# KiCad board EBAZ4205.kicad_pcb (continued)
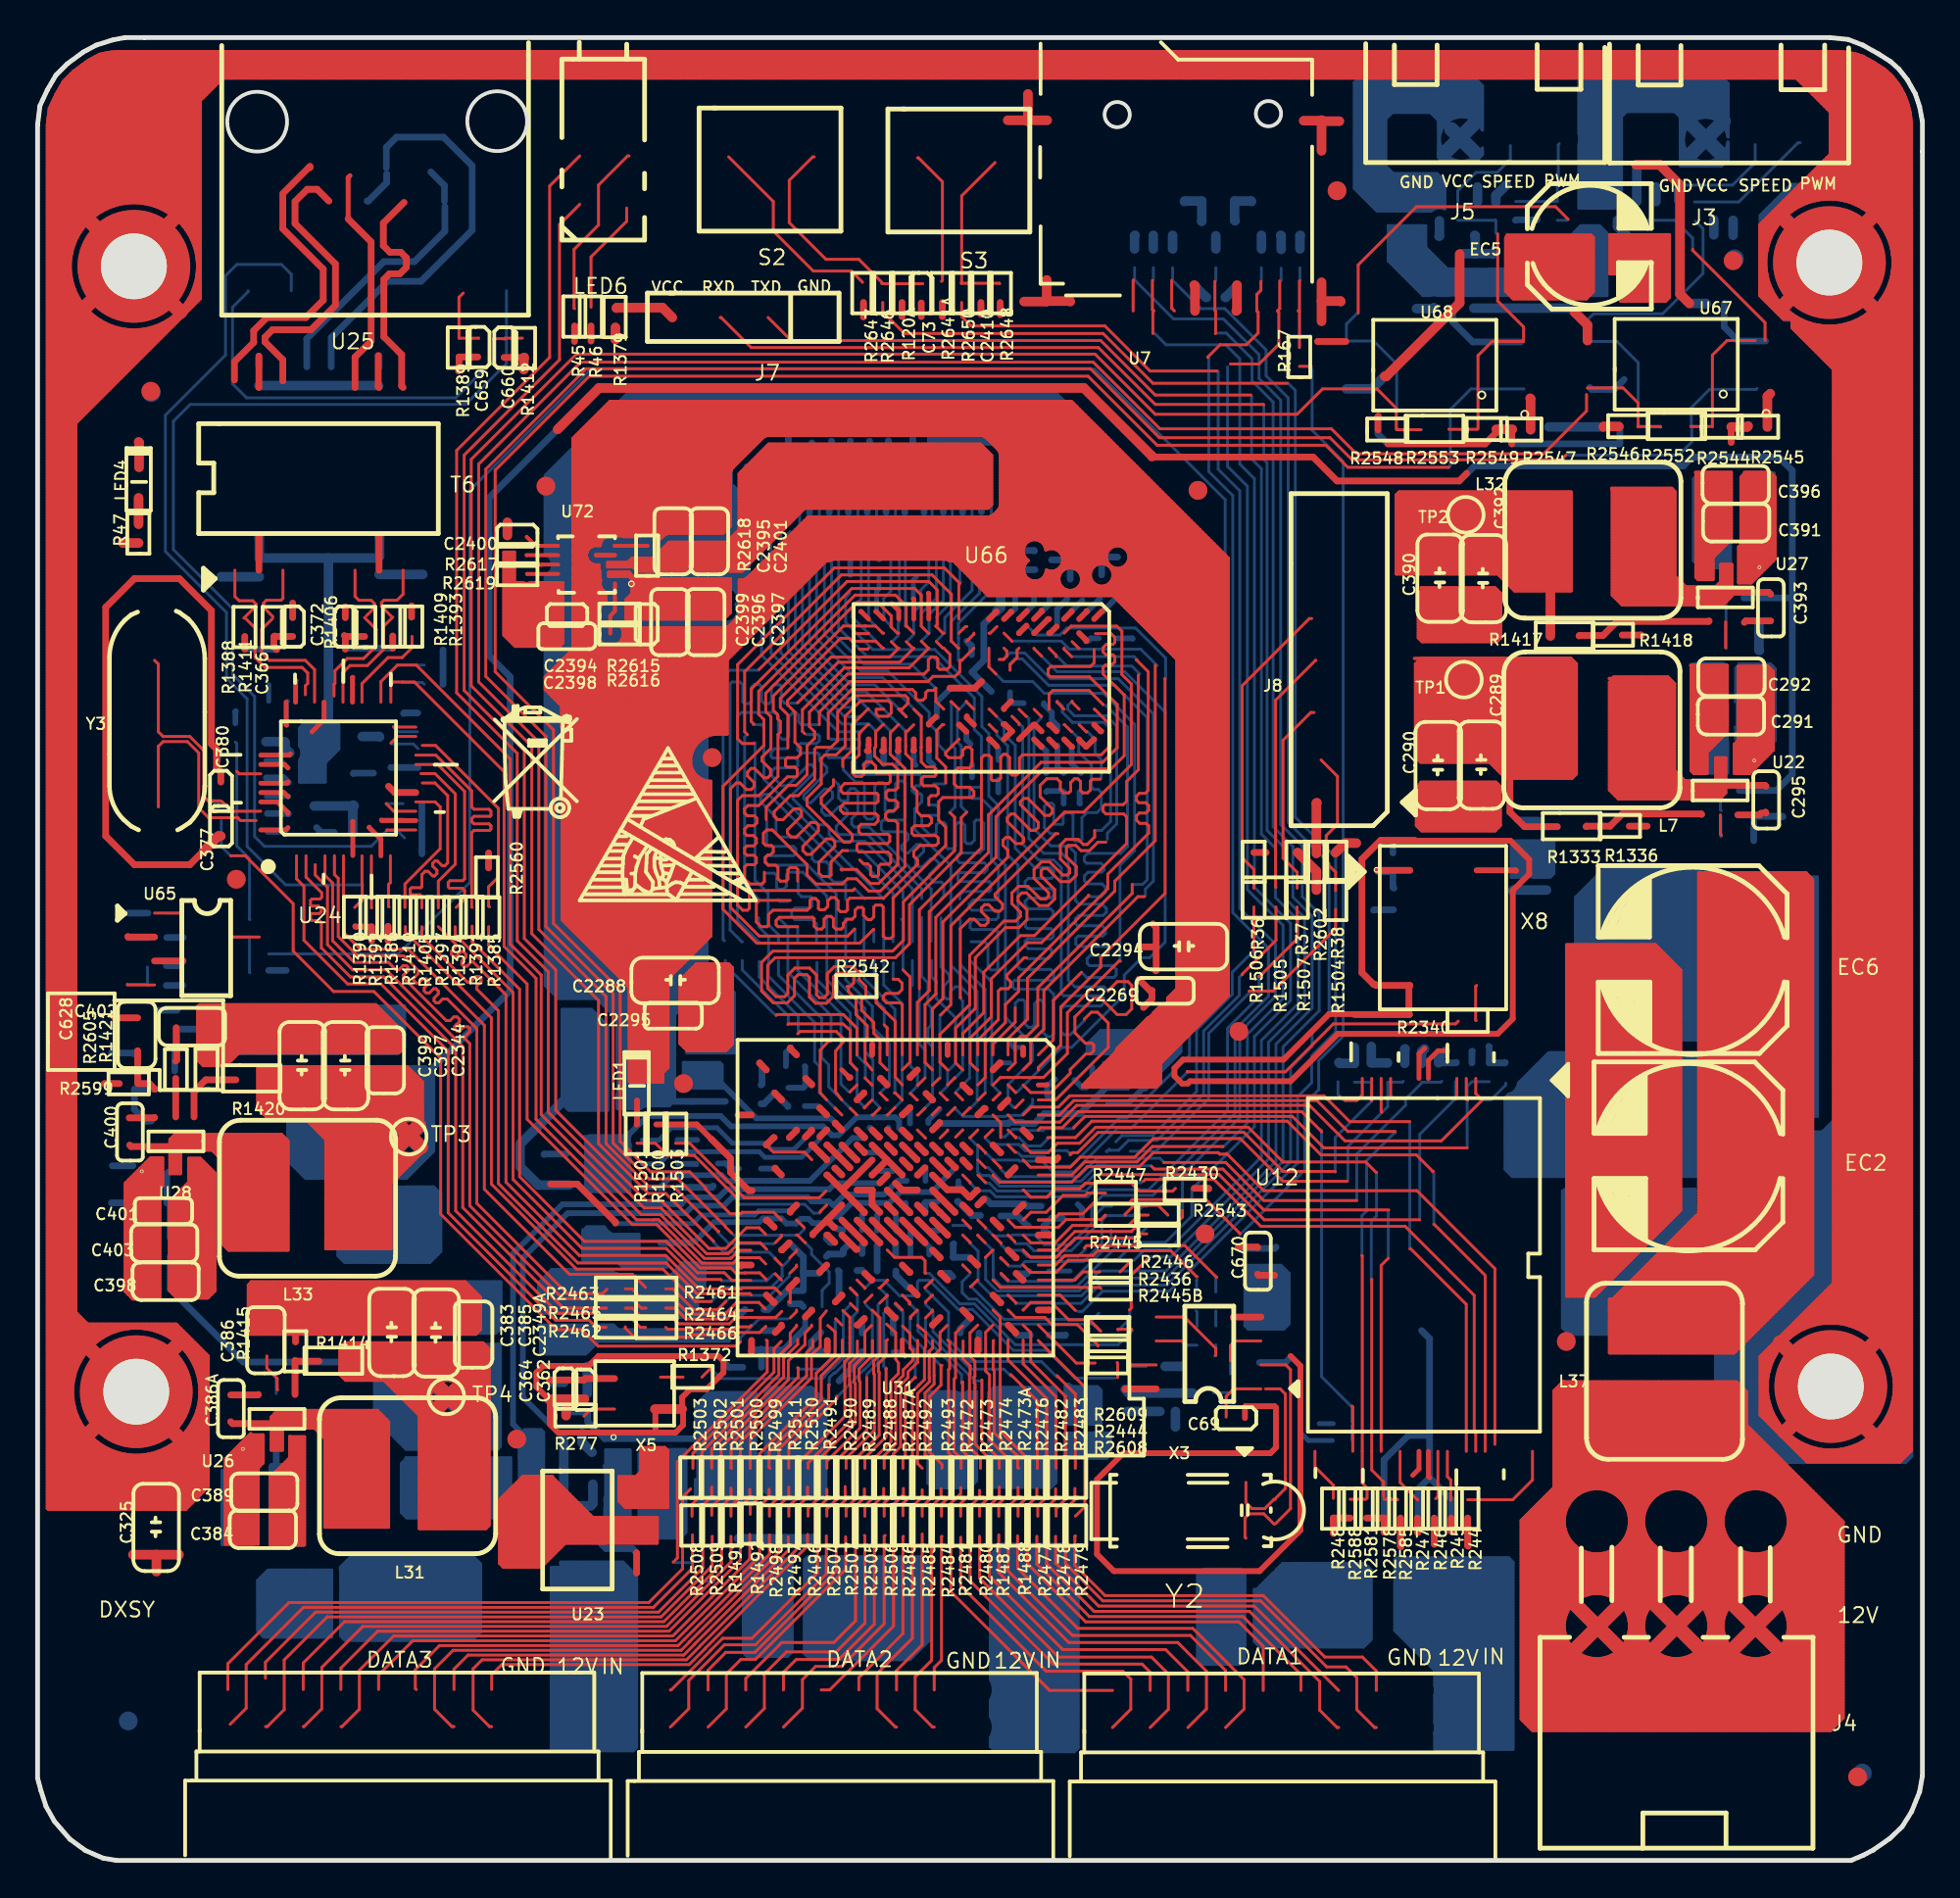
[diagram p0: board, top side]
## Routing (per net, layer and track width the routed paths; a pad name or vN(x,y) marks a point on that pad's centre or on a via; arc(x,y) is an arc through that point) (continued)
 94.45,50.57 ; 12.45,23.59 18.42,23.59 ; 15.3,19.63 18.67,19.63 ; 90.5,61.39 92.35,61.39 ; 46.45,69.27 46.45,71.5 ; 91.87,10.79 96.08,10.79 ; 36.39,68.63 36.39,70.16 ; 81.38,44.78 87.43,44.78 ; 13.08,16.79 13.08,21.07 ; 93.14,12.77 96.08,12.77 ; 79.52,57.61 79.52,63.98 ; 88.4,37.61 94.45,37.61 ; 77.39,58.35 77.39,63.98 ; 88,62 89.9,62 ; 19.48,39.33 19.48,42.24 ; 37,68.63 37,70.49 ; 37.15,68.63 37.15,70.65 ; 81.38,39.75 87.43,39.75 ; 88.25,72.05 90.13,72.05 ; 7.02,34.26 9.42,34.26 ; 79.52,6.95 79.52,18.66 ; 80.13,6.92 80.13,19.27 ; 36.7,68.21 36.7,66.26 31.32,66.26 ; 30.93,47.06 33.66,47.06 ; 28.49,67.03 30.23,67.03 ; 60.24,45.99 63.32,45.99 ; 90.65,72.82 92.45,72.82 ; 88.23,73.88 90.13,73.88 90.13,70.33 89.15,69.36 89.15,68.18 88.38,68.18 88.25,68.31 88.25,73.86 ; 85.47,27.02 85.47,31.5 ; 28.16,64.13 36.91,64.13 ; 76.78,58.46 76.78,63.98 ; 57.79,68.85 63.36,68.85 ; 83.94,27.02 83.94,29.98 ; 78.61,83.13 78.61,86.5 ; 55.63,41.27 59.62,41.27 ; 88.67,56.51 88.67,57.46 ; 90.65,73.58 92.45,73.58 ; 81.38,37.76 87.43,37.76 ; 20.32,22.98 24.02,22.98 ; 84.7,56.51 84.7,62.98 ; 10,19.93 11.72,19.93 ; 18.74,25.27 21.14,25.27 ; 26.18,64.63 26.18,67.99 ; 31.49,42.64 33.54,42.64 ; 90.5,60.78 92.35,60.78 ; 82.87,14.22 82.87,16.31 ; 88.4,37.16 94.45,37.16 ; 60.63,60.62 63.36,60.62 ; 17.8,17.74 17.8,23.94 ; 86.38,14.01 86.38,16.51 ; 48.28,69.27 48.28,71.5 ; 84.59,18.71 85.59,18.71 ; 38.22,75.37 38.22,77.65 ; 28.52,67.94 29.93,67.94 ; 83.94,31.13 83.94,48.74 ; 60.63,60.78 63.36,60.78 ; 80.64,19.78 82.77,19.78 ; 30.14,66.91 30.14,67.54 ; 12.4,17.34 14.2,17.34 ; 39.29,70.46 39.29,75.38 ; 32.58,18.79 32.58,21.97 ; 37.81,68.29 41.01,71.5 50.56,71.5 ; 10,17.8 11.72,17.8 ; 31.07,19.02 33.52,19.02 ; 50.26,71.98 50.26,75.28 ; 42.49,71.98 42.49,75.38 ; 35.33,48.72 35.33,57.55 ; 38.22,69.39 38.22,74.69 ; 85.77,13.47 85.77,17.05 ; 27.92,52.4 35.82,52.4 ; 72.31,69.31 81.6,69.31 ; 60.63,58.64 63.36,58.64 ; 4.67,31.52 6.5,31.52 ; 27.25,16.08 27.25,20.44 ; 15.35,36.55 19.3,36.55 ; 27.92,54.68 35.82,54.68 ; 11.72,40.66 20.47,40.66 ; 22.98,17.67 22.98,27.54 ; 90.34,19.42 90.34,25.47 ; 90.65,71.75 92.45,71.75 ; 9.42,37.69 9.42,38.64 ; 86.99,56.51 86.99,62.75 ; 15.24,22.52 18.67,22.52 ; 72.51,68.48 72.51,72.83 ; 15.35,35.94 18.79,35.94 ; 88.44,11.25 90.19,11.25 ; 90.04,13.53 90.04,16.99 ; 36.55,59.96 36.55,65.6 ; 88.4,37.46 94.45,37.46 ; 75.41,64.88 75.41,67.73 ; 77.24,58.46 77.24,63.98 ; 26.79,64.63 26.79,68.01 ; 45.08,71.98 45.08,75.38 ; 88,59.86 89.71,59.86 ; 60.63,51.48 63.36,51.48 ; 30.94,19.78 33.52,19.78 ; 92.32,13.97 92.32,16.56 ; 88.4,42.95 94.45,42.95 ; 85.33,31.36 94.45,31.36 ; 53.53,70.07 62.59,70.07 ; 91.87,6.92 91.87,10.79 ; 11.22,30.3 23.24,30.3 ; 81.38,33.65 86.46,33.65 ; 17.04,17.74 17.04,23.94 ; 90.65,6.92 90.65,10.91 ; 18.41,42.99 18.41,45.12 ; 7.02,31.97 9.42,31.97 ; 17.95,17.74 17.95,23.94 ; 58.49,66.08 58.49,74.17 ; 84.26,30.3 93.56,30.3 ; 81.38,32.43 85.24,32.43 ; 22.23,23.9 24.02,23.9 ; 51.24,74.49 58.17,74.49 ; 60.63,63.52 63.36,63.52 ; 78.76,67.58 78.76,72.83 ; 57.27,67.3 57.27,68.8 ; 88.21,13.9 88.21,16.63 ; 36.09,68.63 36.09,70.16 ; 84.7,83 84.7,86.53 ; 27.71,61.65 27.71,63.67 ; 18.26,42.99 18.26,45.28 ; 6.22,29.89 6.22,37.39 ; 55.9,41.17 55.9,41.54 ; 34.19,46.45 36.97,46.45 ; 52.85,70.28 52.85,77.65 ; 33.8,47.2 33.8,65.6 ; 88.4,51.94 94.45,51.94 ; 7.89,37.81 7.89,38.64 ; 37.34,70.99 39.82,70.99 ; 27.92,51.48 35.82,51.48 ; 28.52,69.01 29.5,69.01 ; 29.69,48.3 29.69,68.96 ; 9.9,36.55 13.32,36.55 ; 4.67,30.91 6.5,30.91 ; 60.63,54.22 63.36,54.22 ; 8.05,37 9.01,37 ; 8.5,29.94 8.5,37.36 ; 50.82,75.41 57.26,75.41 ; 41.12,71.98 41.12,75.38 ; 59.68,64.89 63.36,64.89 ; 16.39,25.57 24.02,25.57 ; 19.02,24.99 19.02,27.54 ; 27.4,61.95 27.4,63.37 ; 22.63,24.35 24.02,24.35 ; 28.47,16.89 28.47,19.32 ; 33.04,66.08 33.04,68.21 ; 91.87,68.7 91.87,73.88 ; 55.6,67.33 55.6,77.07 ; 31.67,66.08 31.67,68.35 ; 15.35,34.56 18.79,34.56 ; 10.54,21.92 12,21.92 ; 73.48,66.87 77.85,66.87 ; 93.17,17.95 96.08,17.95 ; 46.15,75.86 46.15,77.65 ; 90.53,68.55 91.72,68.55 ; 10,20.54 11.72,20.54 ; 27.92,52.09 35.82,52.09 ; 12.4,16.89 14.2,16.89 ; 31.82,70.47 31.82,77.65 ; 4.67,34.26 6.5,34.26 ; 27.92,53.31 35.82,53.31 ; 31.52,18.79 31.52,20.42 ; 55.14,68.78 55.14,77.53 ; 78.13,85.01 82.78,85.01 ; 92.48,13.87 92.48,16.66 ; 41.42,68.64 41.42,71.5 ; 78.95,12.77 81.26,12.77 ; 20.39,37.64 20.39,37.83 ; 42.64,71.98 42.64,75.38 ; 46.6,69.27 46.6,71.5 ; 7.05,37.61 7.6,37.61 ; 13.99,39.49 13.99,42.24 ; 53.77,69.81 53.77,77.65 ; 34.19,43.71 36.97,43.71 ; 81.2,25.49 80.7,24.99 80.7,19.84 78.95,18.09 78.95,7.52 79.55,6.92 95.4,6.92 96.08,7.6 96.08,18.02 90.93,23.17 90.93,24.94 90.4,25.47 81.2,25.47 ; 85.01,6.92 85.01,25.47 ; 33.08,69.62 38.45,69.62 ; 81.38,43.4 87.43,43.4 ; 37.35,66.87 39.66,66.87 ; 40.5,70.99 61.68,70.99 ; 28.49,68.24 29.92,68.24 ; 91.71,19.77 91.71,22.38 ; 52.09,67.33 52.09,77.65 ; 20.27,23.74 24.02,23.74 ; 88,61.08 89.9,61.08 ; 37.35,66.72 39.5,66.72 ; 51.24,73.58 59.09,73.58 ; 90.19,27.02 90.19,52.56 ; 13.38,23.02 13.38,23.94 ; 14.9,38.83 14.9,42.24 ; 17.34,32.57 17.34,42.24 ; 78.95,12.92 81.29,12.92 ; 28.49,71.29 36.86,71.29 ; 90.65,71.29 92.45,71.29 ; 54.68,68.75 54.68,77.65 ; 92.48,6.92 92.48,11.08 ; 58.34,41.17 58.34,44.09 ; 78.95,8.5 96.08,8.5 ; 28.49,70.23 29.99,70.23 ; 72.31,71.75 81.6,71.75 ; 88.4,44.32 94.45,44.32 ; 12.45,22.83 13.02,22.83 ; 93.14,12.16 96.08,12.16 ; 88.51,66.83 88.51,67.78 ; 37.34,73.73 50.76,73.73 ; 84.86,83 84.86,86.53 ; 86.68,83.06 86.68,86.53 ; 88.4,43.25 94.45,43.25 ; 81.38,30.75 83.57,30.75 ; 33.65,68.63 33.65,70.16 ; 73.33,62.3 81.88,62.3 ; 22.22,17.67 22.22,23.89 ; 88.25,71.9 90.13,71.9 ; 38.98,66.2 38.98,69.47 ; 76.02,68.48 76.02,72.83 ; 88.94,18.11 89.68,18.11 ; 75.1,54.81 75.1,57.38 ; 78.95,11.86 81.34,11.86 ; 84.66,12.92 85.51,12.92 ; 85.16,66.83 85.16,73.03 ; 81.38,34.56 87.38,34.56 ; 51.24,73.88 58.78,73.88 ; 56.2,67.33 56.2,67.98 ; 92.97,18.87 95.23,18.87 ; 88.25,72.51 90.13,72.51 ; 12.77,39.49 12.77,42.24 ; 88.4,51.02 94.45,51.02 ; 55.75,41.17 55.75,41.38 ; 83.42,10.79 86.75,10.79 ; 95.22,6.92 95.22,18.88 ; 13.69,28.02 13.69,30.79 ; 31.49,43.4 33.54,43.4 ; 15.51,17.74 15.51,23.94 ; 88.68,11.55 89.95,11.55 ; 27.92,53.16 35.82,53.16 ; 81.38,30.14 82.96,30.14 ; 7.02,31.82 9.42,31.82 ; 9.11,30.01 9.11,36.9 ; 87.9,66.83 87.9,67.78 ; 40.35,70.84 61.83,70.84 ; 76.63,64.88 76.63,67.73 ; 35.63,49.03 35.63,57.45 ; 88.97,27.02 88.97,52.56 ; 81.38,47.67 87.14,47.67 ; 81.38,38.22 87.43,38.22 ; 60.63,60.17 63.36,60.17 ; 29.29,76.47 56.19,76.47 ; 15.3,21 18.67,21 ; 17.5,25.57 17.5,27.54 ; 18.41,17.74 18.41,23.6 ; 37.47,68.15 37.35,68.15 37.35,66.43 ; 28.49,66.42 29.79,66.42 ; 32.28,41.44 32.28,65.6 ; 43.1,71.98 43.1,75.38 ; 32.43,41.44 32.43,65.6 ; 83.65,59.86 87.1,59.86 ; 18.56,17.74 18.56,23.45 ; 45.99,75.86 45.99,77.65 ; 22.52,17.67 22.52,24.16 ; 88.82,6.92 88.82,11.83 ; 81.38,31.21 84.02,31.21 ; 54.26,68.7 54.6,68.7 ; 79.12,18.26 81.24,18.26 ; 83.65,29.23 92.49,29.23 ; 81.35,18.68 81.35,25.47 ; 88.4,49.8 94.45,49.8 ; 81.35,13.11 81.35,17.42 ; 90.34,57.86 90.34,59.45 ; 56.81,41.17 56.81,42.45 ; 84.25,83.18 86.8,83.18 ; 57.01,42.64 59.96,42.64 ; 73.57,57.27 77.72,57.27 ; 29.99,70.22 29.99,77.18 ; 72.31,69.16 81.6,69.16 ; 74.95,64.88 74.95,67.73 ; 88.34,16.73 90.28,16.73 ; 57.42,41.17 57.42,43.14 ; 22.83,17.67 22.83,27.54 ; 92.8,11.4 96.08,11.4 ; 88.4,48.59 94.45,48.59 ; 27.92,54.83 35.82,54.83 ; 74.49,68.48 74.49,72.83 ; 58.61,65.96 63.36,65.96 ; 92.17,14.05 92.17,16.47 ; 20.32,18.71 24.02,18.71 ; 15.3,19.32 18.67,19.32 ; 15.3,19.02 18.67,19.02 ; 78.95,17.65 81.28,17.65 ; 25.72,64.63 25.72,68.01 ; 32.13,16.89 32.13,18.24 ; 7.05,37.46 7.6,37.46 ; 85.62,18.78 85.62,25.47 ; 82.72,6.92 82.72,10.75 ; 20.7,17.67 20.7,27.54 ; 85.47,56.51 85.47,62.98 ; 24.59,17.34 32.97,17.34 ; 93.09,29.83 93.09,52.56 ; 16.28,32.57 16.28,42.24 ; 10.48,32.49 10.48,38.64 ; 84.4,6.92 84.4,11.47 ; 78.95,8.66 96.08,8.66 ; 14.45,28.02 14.45,30.79 ; 80.7,20.85 93.25,20.85 ; 49.19,68.72 49.19,71.5 ; 77.94,68.24 81.6,68.24 ; 7.02,32.89 9.42,32.89 ; 92.63,19.31 92.63,21.47 ; 37.34,71.29 40.13,71.29 ; 84.55,13.22 84.55,17.3 ; 86.99,66.83 86.99,72.99 ; 7.02,31.36 9.42,31.36 ; 8.05,36.39 9.42,36.39 ; 11.22,28.62 23.57,28.62 ; 85.63,31.67 94.45,31.67 ; 10,21.15 11.98,21.15 ; 25.12,64.94 25.12,69.63 ; 58.03,69.62 63.05,69.62 ; 74.19,68.48 74.19,72.83 ; 32.74,18.79 32.74,21.97 ; 35.63,59.85 35.63,65.6 ; 7.06,38.37 13.24,38.37 ; 78.95,10.48 96.08,10.48 ; 32.77,69.31 38.14,69.31 ; 83.8,70.68 87.13,70.68 ; 59.1,41.17 59.1,44.84 ; 72.31,72.51 81.6,72.51 ; 10,18.41 11.72,18.41 ; 21.31,17.67 21.31,23.93 ; 33.8,68.63 33.8,70.16 ; 15.35,37.76 19.3,37.76 ; 50.26,75.85 50.26,77.65 ; 80.74,57.61 80.74,63.98 ; 15.3,21.76 18.67,21.76 ; 38.68,65.9 38.68,69.16 ; 78.95,9.27 96.08,9.27 ; 85.47,32.65 85.47,48.74 ; 93.13,18.41 95.68,18.41 ; 32.12,20.7 33.52,20.7 ; 80.7,21.46 92.64,21.46 ; 88.4,46.45 94.45,46.45 ; 28.49,68.7 29.88,68.7 ; 8.35,37.81 8.35,38.64 ; 50.66,75.56 57.11,75.56 ; 92.93,6.92 92.93,11.6 ; 88.88,12.01 89.74,12.01 ; 72.31,68.7 81.6,68.7 ; 81.38,42.03 87.43,42.03 ; 7.28,35.33 9.42,35.33 ; 83.8,72.36 87.13,72.36 ; 42.79,75.86 42.79,77.65 ; 19.32,43.09 19.32,44.21 ; 84.72,17.95 85.46,17.95 ; 19.93,39.38 19.93,41.97 ; 75.1,68.48 75.1,72.83 ; 14.14,23.02 14.14,23.94 ; 28.49,73.27 36.86,73.27 ; 95.68,7.2 95.68,18.42 ; 34.19,44.32 36.97,44.32 ; 32.89,18.79 32.89,21.97 ; 85.78,31.82 94.45,31.82 ; 7.05,37.31 7.6,37.31 ; 49.04,71.98 49.04,75.38 ; 60.63,59.86 63.36,59.86 ; 44.93,75.86 44.93,77.65 ; 28.49,75.56 38.41,75.56 ; 88.4,37.76 94.45,37.76 ; 50.13,67.79 54.5,67.79 ; 36.85,71.02 36.85,77.65 ; 24.59,16.43 27.6,16.43 ; 77.54,54.81 77.54,57.38 ; 81.38,39.59 87.43,39.59 ; 28.95,49.04 35.65,49.04 ; 78.95,11.55 81.5,11.55 ; 50.41,71.98 50.41,75.13 ; 60.63,54.07 63.36,54.07 ; 8.2,29.94 8.2,37.36 ; 88.21,19.47 88.21,25.47 ; 16.1,26.49 24.02,26.49 ; 54.38,68.41 54.38,68.79 ; 55.61,41.17 59.52,41.17 59.76,41.41 59.76,42.44 63.36,46.04 63.36,69.31 55.01,77.65 30.47,77.65 28.49,75.68 28.49,70.14 ; 21,25.07 21,27.54 ; 90.3,58.34 91.58,58.34 ; 11.72,40.51 20.47,40.51 ; 10.48,16.84 10.48,21.86 ; 73.33,63.37 81.88,63.37 ; 78.95,14.9 96.08,14.9 ; 8.05,36.24 9.42,36.24 ; 7.05,37.92 13.32,37.92 ; 81.38,44.47 87.43,44.47 ; 35.02,48.42 35.02,57.79 ; 79.98,57.61 79.98,63.98 ; 16.89,32.57 16.89,42.24 ; 44.32,75.86 44.32,77.65 ; 82.57,14.17 82.57,16.35 ; 14.6,42.24 14.6,39.14 19.18,39.14 ; 27.92,56.66 35.82,56.66 ; 86.08,6.92 86.08,11.14 ; 79.83,6.92 79.83,18.97 ; 84.87,30.91 94.17,30.91 ; 89.43,6.92 89.43,25.47 ; 87.29,27.02 87.29,33.33 ; 5,29.97 5,36.36 ; 56.81,69 56.81,75.85 ; 46.91,69.27 46.91,71.5 ; 72.31,68.85 81.6,68.85 ; 25.57,64.63 25.57,68.01 ; 83.65,57.27 89.83,57.27 ; 83.65,61.23 87.1,61.23 ; 89.12,56.51 89.12,57.46 ; 80.7,22.07 92.03,22.07 ; 88.4,44.01 94.45,44.01 ; 90.04,19.11 90.04,25.47 ; 48.28,71.98 48.28,75.38 ; 73.33,59.71 81.88,59.71 ; 27.55,16.38 27.55,20.23 ; 91.56,14.21 91.56,16.31 ; 27.92,50.41 35.82,50.41 ; 34.87,70.64 34.87,77.65 ; 45.54,69.27 45.54,71.5 ; 88.4,38.37 94.45,38.37 ; 80.89,83.13 80.89,86.5 ; 4.67,35.78 6.52,35.78 ; 86.39,32.43 94.45,32.43 ; 19.51,24.51 20.93,24.51 ; 56.2,68.87 56.2,76.46 ; 81.38,37.16 87.43,37.16 ; 95.83,7.35 95.83,18.27 ; 21.61,17.67 21.61,23.81 ; 75.56,64.88 75.56,67.73 ; 83.8,67.79 87.7,67.79 ; 83.65,60.32 87.1,60.32 ; 31.16,65.2 37.98,65.2 ; 89.3,58.34 89.83,58.34 ; 86.68,14.14 86.68,16.38 ; 37.92,69.08 37.92,74.38 ; 28.49,72.66 36.86,72.66 ; 46.76,75.86 46.76,77.65 ; 27.92,57.12 35.82,57.12 ; 10.03,16.84 10.03,21.4 ; 30.91,47.08 30.91,64.76 ; 15.21,42.99 15.21,45.54 ; 9.11,37.81 9.11,38.64 ; 58.03,41.17 58.03,43.79 ; 20.32,22.22 24.02,22.22 ; 84.54,11.7 85.64,11.7 ; 92.32,19.54 92.32,21.77 ; 81.96,19.47 81.96,25.47 ; 60.63,52.7 63.36,52.7 ; 56.05,67.33 56.05,68.22 ; 77.08,68.48 77.08,72.83 ; 73.33,62.15 81.88,62.15 ; 88.4,36.09 94.45,36.09 ; 16.1,25.88 24.02,25.88 ; 93.7,30.44 93.7,52.56 ; 22.69,24.66 24.02,24.66 ; 32.43,66.08 32.43,68.21 ; 29.84,16.89 29.84,18.24 ; 16.1,26.18 24.02,26.18 ; 50.11,75.86 50.11,77.65 ; 88.94,12.31 89.69,12.31 ; 92.17,19.63 92.17,21.92 ; 84.42,19.02 85.75,19.02 ; 80.34,19.48 81.97,19.48 ; 88.51,57.86 88.51,63.61 ; 7.59,36.56 7.59,38.64 ; 89.43,56.51 89.43,58.68 ; 13.08,42.99 13.08,45.54 ; 88.25,69.16 89.15,69.16 ; 19.96,24.05 21.17,24.05 ; 73.48,66.72 77.85,66.72 ; 8.96,29.94 8.96,37.05 ; 20.32,23.44 24.02,23.44 ; 9.88,42.31 9.88,45.54 ; 37.34,73.43 50.76,73.43 ; 13.42,22.37 14.2,22.37 ; 18.56,28.02 18.56,30.79 ; 15.35,36.09 18.84,36.09 ; 41.73,68.94 41.73,71.5 ; 95.37,6.92 95.37,18.72 ; 30.91,68.86 30.91,69.08 ; 39.89,70.38 62.29,70.38 ; 42.79,69.27 42.79,71.5 ; 73.58,64.99 73.58,67.53 ; 19.02,38.93 19.02,42.24 ; 40.66,75.86 40.66,77.65 ; 9.9,36.7 13.32,36.7 ; 51.24,74.19 58.48,74.19 ; 81.38,35.94 87.43,35.94 ; 88.85,17.5 89.77,17.5 ; 88.4,48.74 94.45,48.74 ; 78.13,84.86 82.78,84.86 ; 31.85,68.7 37.54,68.7 ; 86.84,34.03 86.84,47.98 ; 48.13,69.27 48.13,71.5 ; 88.4,44.17 94.45,44.17 ; 89.73,66.89 89.73,68.98 ; 55.45,68.55 56.03,68.55 ; 50.72,72.14 50.72,74.82 ; 31.21,46.78 31.21,65.61 ; 74.8,64.88 74.8,67.73 ; 31.49,43.1 33.54,43.1 ; 60.63,49.65 63.36,49.65 ; 88.4,35.94 94.45,35.94 ; 47.06,75.86 47.06,77.65 ; 58.95,65.62 58.95,73.72 ; 14.6,28.02 14.6,30.79 ; 89.73,6.92 89.73,12.05 ; 33.34,18.79 33.34,21.97 ; 9.27,30.16 9.27,36.75 ; 80.7,23.13 90.96,23.13 ; 92.68,13.69 96.08,13.69 ; 73.88,58.46 73.88,63.98 ; 16.1,27.1 24.02,27.1 ; 88.21,56.51 88.21,57.46 ; 77.24,54.81 77.24,57.38 ; 88.84,13.08 89.79,13.08 ; 81.38,33.95 86.77,33.95 ; 57.85,66.72 63.36,66.72 ; 15.97,17.74 15.97,23.94 ; 12.45,23.29 18.67,23.29 ; 78.95,13.53 81.59,13.53 ; 92.78,29.52 92.78,52.56 ; 73.33,63.06 81.88,63.06 ; 86.38,27.02 86.38,32.42 ; 27.02,62.76 36.69,62.76 ; 81.5,67.58 81.5,72.83 ; 34.19,44.17 36.97,44.17 ; 58.8,65.77 58.8,73.87 ; 79.67,67.58 79.67,72.83 ; 20.85,28.02 20.85,30.79 ; 74.04,64.88 74.04,67.73 ; 54.07,69.82 54.07,77.65 ; 79.06,57.61 79.06,63.98 ; 20.32,23.13 24.02,23.13 ; 49.8,68.11 49.8,71.5 ; 31.49,45.38 33.54,45.38 ; 88.07,34.11 94.45,34.11 ; 88.4,40.81 94.45,40.81 ; 39.44,70.61 39.44,75.38 ; 9.9,34.72 13.32,34.72 ; 35.48,43.11 35.48,47.71 ; 27.92,51.79 35.82,51.79 ; 9.11,42.31 9.11,45.54 ; 27.92,56.2 35.82,56.2 ; 34.41,47.06 36.97,47.06 ; 58.11,43.86 61.18,43.86 ; 88.92,12.16 89.71,12.16 ; 31.36,46.62 31.36,65.6 ; 79.83,83.13 79.83,86.5 ; 34.43,43.25 36.75,43.25 ; 27.92,50.11 35.82,50.11 ; 90.53,68.4 91.57,68.4 ; 84.04,11.09 86.13,11.09 ; 51.33,67.33 51.33,77.65 ; 21,28.02 21,30.79 ; 90.3,58.64 91.89,58.64 ; 54.52,69.01 56.44,69.01 ; 34.19,44.01 36.97,44.01 ; 4.67,31.97 6.5,31.97 ; 29.73,68.95 29.86,68.95 29.86,68.86 ; 81.38,41.88 87.43,41.88 ; 81.38,40.05 87.43,40.05 ; 84.25,31.43 84.25,48.74 ; 90.53,69.31 92.45,69.31 ; 84.25,56.51 84.25,62.98 ; 13.42,22.52 14.2,22.52 ; 87.14,27.02 87.14,33.18 ; 27.89,61.08 36.69,61.08 ; 12.45,22.98 13.02,22.98 ; 22.22,25.46 22.22,27.54 ; 27.89,61.39 36.69,61.39 ; 84.35,11.4 85.83,11.4 ; 72.31,68.55 81.6,68.55 ; 37.46,68.63 37.46,73.92 ; 60.63,59.25 63.36,59.25 ; 20.32,22.83 24.02,22.83 ; 83.62,16.43 86.56,16.43 ; 34.87,47.52 36.96,47.52 ; 38.79,75.26 50.29,75.26 ; 19.02,28.02 19.02,30.79 ; 15.3,19.93 18.67,19.93 ; 88.74,18.87 89.88,18.87 ; 60.63,58.19 63.36,58.19 ; 37.72,74.19 50.76,74.19 ; 88.4,39.29 94.45,39.29 ; 76.47,54.81 76.47,57.38 ; 89.89,18.87 89.89,25.47 ; 81.38,40.2 87.43,40.2 ; 31.21,18.87 31.21,20.42 ; 88.4,51.48 94.45,51.48 ; 13,21 14.2,21 ; 33.8,70.64 33.8,77.65 ; 33.65,70.64 33.65,77.65 ; 88.4,47.37 94.45,47.37 ; 60.63,61.54 63.36,61.54 ; 88.62,17.04 90,17.04 ; 85.93,31.97 94.45,31.97 ; 45.99,69.27 45.99,71.5 ; 37.34,71.6 40.43,71.6 ; 12.92,21.84 12.92,23.94 ; 73.33,59.25 81.88,59.25 ; 88.67,66.83 88.67,67.78 ; 55.75,67.33 55.75,76.92 ; 62,44.68 62,70.67 ; 45.08,75.86 45.08,77.65 ; 80.44,67.58 80.44,72.83 ; 20.24,39.28 20.24,41.67 ; 88.25,68.55 89.15,68.55 ; 60.63,52.85 63.36,52.85 ; 93.08,17.5 96.08,17.5 ; 14.14,39.49 14.14,42.24 ; 78.55,67.64 81.6,67.64 ; 74.19,58.46 74.19,63.98 ; 40.05,75.86 40.05,77.65 ; 44.01,71.98 44.01,75.38 ; 20.32,19.63 24.02,19.63 ; 34.11,70.64 34.11,77.65 ; 87.9,14.07 87.9,16.45 ; 13.53,42.99 13.53,45.54 ; 81.38,31.52 84.33,31.52 ; 77.79,68.4 81.6,68.4 ; 19.32,24.69 19.32,27.54 ; 47.82,69.27 47.82,71.5 ; 32.89,68.63 32.89,69.43 ; 12.47,32.49 12.47,38.64 ; 92.72,16.89 96.08,16.89 ; 53.16,70.3 53.16,77.65 ; 90.3,57.88 91.12,57.88 ; 15.35,35.17 18.79,35.17 ; 19.32,36.57 19.32,37.75 ; 85.31,27.02 85.31,31.35 ; 87.6,66.83 87.6,67.88 ; 87.29,34.48 87.29,47.52 ; 88.4,45.23 94.45,45.23 ; 73.48,65.65 77.85,65.65 ; 83.65,58.34 87.1,58.34 ; 73.33,60.32 81.88,60.32 ; 11,22.37 12,22.37 ; 93.09,13.01 93.09,17.52 ; 81.38,39.9 87.43,39.9 ; 10.85,22.22 12,22.22 ; 8.52,45.38 18.15,45.38 ; 92.9,11.55 96.08,11.55 ; 89.73,27.02 89.73,52.56 ; 60.63,53.31 63.36,53.31 ; 58.64,65.92 58.64,74.02 ; 27.4,64.63 27.4,68.01 ; 38.07,69.24 38.07,74.53 ; 81.38,35.78 87.43,35.78 ; 60.63,47.21 63.36,47.21 ; 85.47,66.83 85.47,73.03 ; 74.34,58.46 74.34,63.98 ; 45.23,71.98 45.23,75.38 ; 12.4,19.78 14.2,19.78 ; 79.67,6.92 79.67,18.81 ; 15.35,36.39 19.15,36.39 ; 93.54,30.28 93.54,52.56 ; 35.63,70.64 35.63,77.65 ; 11.86,21.03 11.86,22.64 ; 84.7,18.28 84.7,25.47 ; 13.99,42.99 13.99,45.54 ; 73.38,55.9 77.83,55.9 ; 12.62,39.49 12.62,42.24 ; 39.44,66.66 39.44,69.92 ; 47.98,69.27 47.98,71.5 ; 15.3,17.95 18.67,17.95 ; 24.59,18.11 32.97,18.11 ; 5.61,29.89 5.61,36.97 ; 60.63,49.96 63.36,49.96 ; 9.9,35.48 13.32,35.48 ; 36.7,70.87 36.7,77.65 ; 4.67,33.8 6.5,33.8 ; 34.57,47.21 36.97,47.21 ; 83.64,19.66 83.64,25.47 ; 60.63,49.35 63.36,49.35 ; 60.63,57.88 63.36,57.88 ; 28.47,64.43 37.22,64.43 ; 88.4,43.86 94.45,43.86 ; 88.4,41.27 94.45,41.27 ; 90.65,73.12 92.45,73.12 ; 90.65,70.99 92.45,70.99 ; 78.95,15.06 96.08,15.06 ; 30.45,68.36 30.45,68.56 ; 38.53,65.74 38.53,69.01 ; 81.05,6.92 81.05,25.33 ; 37.34,72.21 50.76,72.21 ; 83.65,59.71 87.1,59.71 ; 28.49,71.45 36.86,71.45 ; 92.76,19.17 94.92,19.17 ; 43.71,71.98 43.71,75.38 ; 88.4,46.76 94.45,46.76 ; 10.94,32.49 10.94,38.64 ; 34.19,46.6 36.97,46.6 ; 90.53,69.16 92.33,69.16 ; 51.24,73.27 59.39,73.27 ; 50.41,75.79 50.41,77.65 ; 31.97,70.47 31.97,77.65 ; 31.23,46.76 33.54,46.76 ; 19.02,36.26 19.02,38.07 ; 79.42,18.56 81.31,18.56 ; 76.32,58.46 76.32,63.98 ; 88.06,57.96 88.06,63.61 ; 30.94,19.93 33.52,19.93 ; 80.18,19.32 81.78,19.32 ; 31.58,68.24 31.78,68.24 ; 40.96,68.18 40.96,71.45 ; 59.56,65.01 59.56,73.11 ; 18.59,25.42 21.31,25.42 ; 81.38,42.18 87.43,42.18 ; 79.22,7.26 79.22,18.36 ; 46.91,75.86 46.91,77.65 ; 84.47,13.38 85.71,13.38 ; 27.55,64.63 27.55,68.01 ; 36.19,59.96 36.69,59.96 36.69,63.91 41.96,69.18 42.13,69.18 ; 7.13,30.23 7.13,35.19 ; 35.94,43.11 35.94,47.71 ; 9.9,35.78 13.32,35.78 ; 12.92,42.99 12.92,45.54 ; 17.34,17.74 17.34,23.94 ; 88.4,51.63 94.45,51.63 ; 31.21,68.36 31.21,68.56 ; 93.11,12.01 96.08,12.01 ; 79.88,19.02 81.53,19.02 ; 58.76,65.81 63.36,65.81 ; 79.98,67.58 79.98,72.83 ; 57.21,68.24 63.36,68.24 ; 80.13,67.58 80.13,72.83 ; 81.38,45.99 87.43,45.99 ; 85.02,31.06 94.32,31.06 ; 15.36,32.57 15.36,42.24 ; 78.95,17.95 81.23,17.95 ; 56.2,41.17 56.2,41.84 ; 73.33,63.52 81.88,63.52 ; 13.08,39.49 13.08,42.24 ; 26.24,68.01 27.94,68.01 27.94,64.81 27.77,64.63 25.42,64.63 24.82,65.23 24.82,69.58 ; 53.62,69.92 57.2,69.92 ; 50.26,67.66 50.26,71.5 ; 31.21,70.47 31.21,77.65 ; 12.77,16.79 12.77,20.77 ; 57.65,43.4 60.72,43.4 ; 88.4,40.2 94.45,40.2 ; 37.34,73.12 50.76,73.12 ; 8.81,42.33 8.81,45.54 ; 51.24,74.65 58.02,74.65 ; 54.43,68.85 56.19,68.85 ; 81.2,6.92 81.2,25.49 ; 74.19,54.81 74.19,57.38 ; 88.14,16.58 90.49,16.58 ; 16.58,42.99 16.58,45.54 ; 59.1,65.47 59.1,73.56 ; 83.65,28.62 91.88,28.62 ; 90.5,63.22 92.35,63.22 ; 83.8,71.29 87.13,71.29 ; 78.95,7.74 96.08,7.74 ; 81.38,41.12 87.43,41.12 ; 27.9,60.32 36.69,60.32 ; 88.36,19.35 88.36,25.47 ; 59.66,45.38 62.71,45.38 ; 28.77,49.22 28.77,75.96 ; 85.92,33.11 85.92,48.74 ; 72.31,70.84 81.6,70.84 ; 85.92,27.02 85.92,31.96 ; 31.33,46.66 27.92,50.07 27.92,60.17 ; 90.53,69.01 92.18,69.01 ; 20.32,21.61 24.02,21.61 ; 93.16,18.26 95.84,18.26 ; 51.63,67.33 51.63,77.65 ; 47.06,69.27 47.06,71.5 ; 17.8,32.57 17.8,42.24 ; 83.65,61.69 87.1,61.69 ; 56.09,41.73 59.76,41.73 ; 83.8,67.64 90.15,67.64 ; 73.38,55.75 